# Altium PCB Arribada-PMP-PCB.PcbDoc (part 2 of 4) (continued)
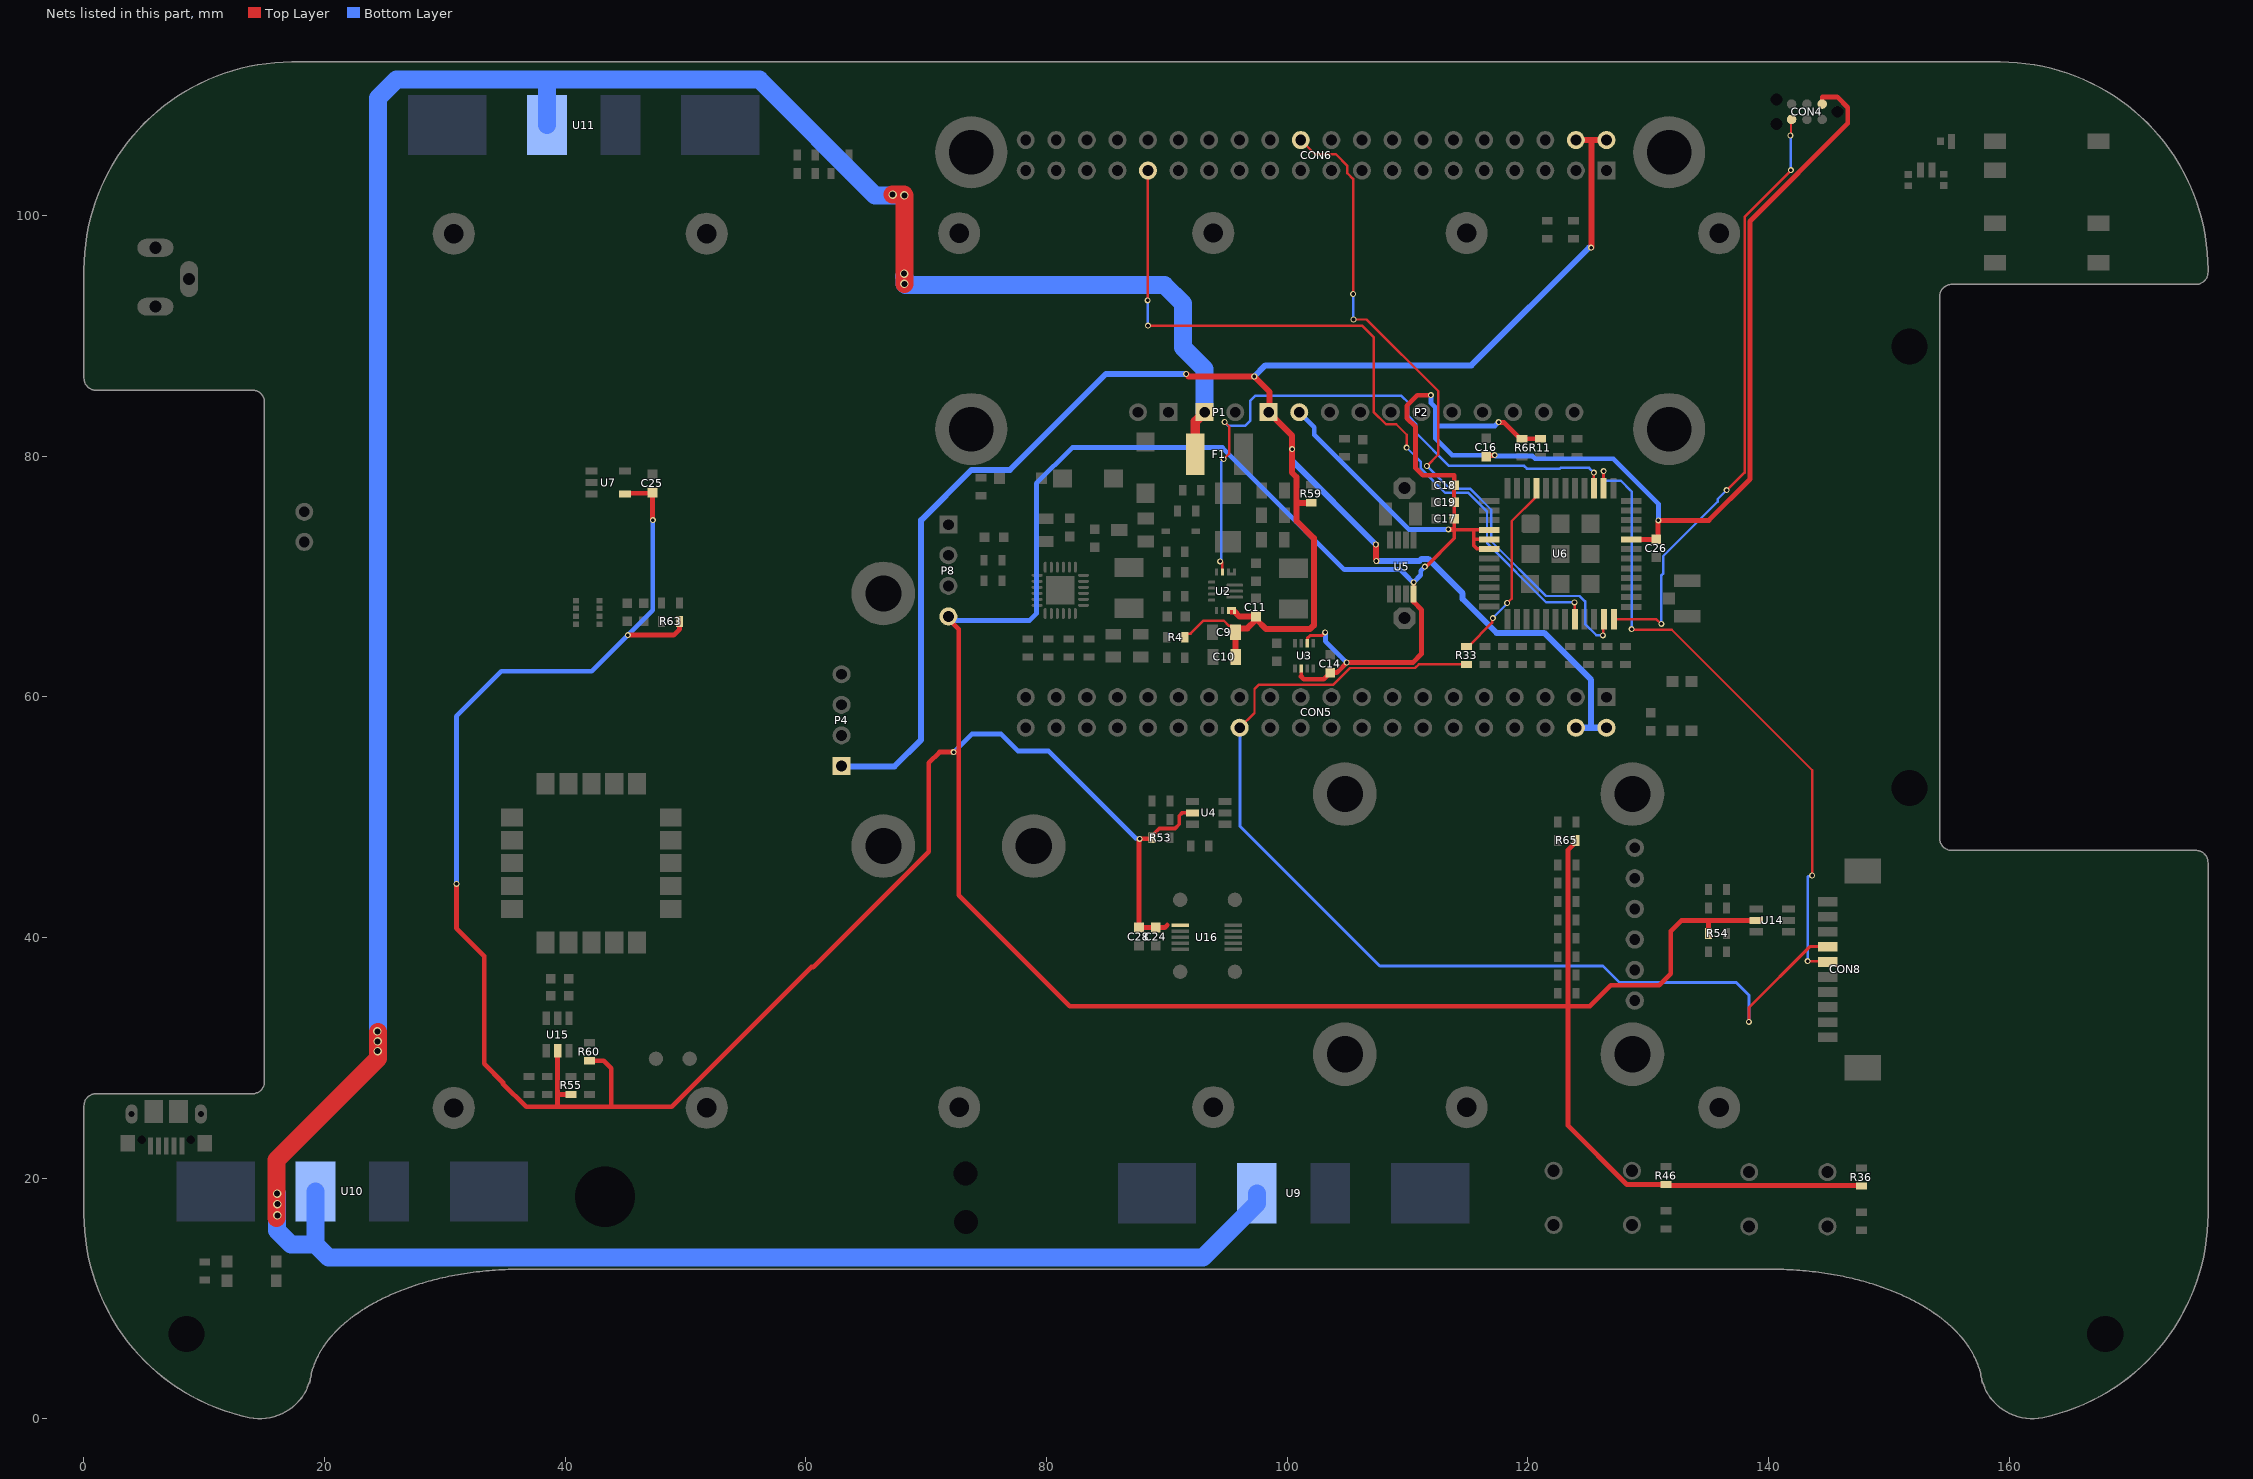
[diagram p2: the nets of this part, all layers, seen from the top]
## Part data (continued)
R36 R46 R59: library part "R - 10k", "MULTICOMP - MCMR06X103 JTL - RES, CERAMIC, 10K, 5%, 0.1W, 0603", IRNAS Part No.=I-100008, Manufacturer=MULTICOMP, Manufacturer Part Number="MCMR06X103 JTL", Power Rating=100, Resistance=10, Resistance Tolerance="± 5%", Resistor Case Style="0603 [1608 Metric]", Resistor Element Material=Ceramic, Supplier Part Number 1=2073356, Temperature Coefficient="± 100", Voltage Rating=75, Automotive Qualification Standard="-<!--FANDB--><div class=\"features-and-benefits-container\"><div class=\"features-and-benefits-description\"><span class=\"features-benefits-value\">The Multicomp MCMR series resistors are automotive grade, anti sulphured thick film chip resistor. The resistance range includes E24 and E96 decade values from 1ohm to 10Mohm. These resistors are constructed on top of a high grade ceramic body.</span></div><div class=\"features-and-benefits-list\"><ul class=\"features-and-benefits-list-list\"><li class=\"features-and-benefits-list-item\">EIA 0402, 0603, 0805, 1206 chip sizes available</li><li class=\"features-and-benefits-list-item\">High reliability and stability</li><li class=\"features-and-benefits-list-item\">Automotive grade AEC-Q200 compliant</li><li class=\"features-and-benefits-list-item\">Complaint with (IEC 60068-1) 55/155/56 climatic category</li><li class=\"features-and-benefits-list-item\">Maximum operation voltage of 50V, 75V, 150V and 200V</li><li class=\"features-and-benefits-list-item\">Power rating of 62.5mW, 100mW, 125mW and 250mW</li><li class=\"features-and-benefits-list-item\">Available in ±1% and ±5% tolerance</li><li class=\"features-and-benefits-list-item\">Temperature coefficient (TCR) of +200ppm/°C, +100ppm/°C and -200ppm/°C to +400ppm/°C</li><li class=\"features-and-benefits-list-item\">Operating temperature range -55°C to 155", ComponentLink1Description=http://www.farnell.com/datasheets/1716707.pdf, ComponentLink1URL=http://www.farnell.com/datasheets/1716707.pdf, Packaging="Cut Tape", Pricing 1="10=0.0087, 100=0.0074, 500=0.0061, 1000=0.0048, 2500=0.0032, 5000=0.0024, 25000=0.0016, 50000=0.0013 (GBP)", Product Range="MCMR Series", RoHS=Y-EX, Stock 1=19791, Supplier 1=Farnell
R40: library part "R - 2k2", "MULTICOMP - MCMR06X2201FTL - RES, CERAMIC, 2K2, 1%, 0.1W, 0603", IRNAS Part No.=I-100024, Manufacturer=MULTICOMP, Manufacturer Part Number=MCMR06X2201FTL, Supplier Part Number 1=2073429, ComponentLink1Description=http://www.farnell.com/datasheets/1716707.pdf, ComponentLink1URL=http://www.farnell.com/datasheets/1716707.pdf, Pricing 1="10=0.0099, 100=0.0059, 500=0.0042, 1000=0.0033, 2500=0.0027 (GBP)", RoHS=Y-EX, Stock 1=17638, Supplier 1=Farnell
R49 R51 R52 R53 R54 R55: library part "R - 100k", "MULTICOMP - MCMR06X104 JTL - RES, CERAMIC, 100K, 5%, 0.1W, 0603", IRNAS Part No.=I-100007, Manufacturer=MULTICOMP, Manufacturer Part Number="MCMR06X104 JTL", Power Rating=100, Resistance Tolerance="± 5%", Resistor Case Style="0603 [1608 Metric]", Resistor Element Material=Ceramic, Resistor Mounting="Surface Mount Device<!--FANDB--><div class=\"features-and-benefits-container\"><div class=\"features-and-benefits-description\"><span class=\"features-benefits-value\">The Multicomp MCMR series resistors are automotive grade, anti sulphured thick film chip resistor. The resistance range includes E24 and E96 decade values from 1ohm to 10Mohm. These resistors are constructed on top of a high grade ceramic body.</span></div><div class=\"features-and-benefits-list\"><ul class=\"features-and-benefits-list-list\"><li class=\"features-and-benefits-list-item\">EIA 0402, 0603, 0805, 1206 chip sizes available</li><li class=\"features-and-benefits-list-item\">High reliability and stability</li><li class=\"features-and-benefits-list-item\">Automotive grade AEC-Q200 compliant</li><li class=\"features-and-benefits-list-item\">Complaint with (IEC 60068-1) 55/155/56 climatic category</li><li class=\"features-and-benefits-list-item\">Maximum operation voltage of 50V, 75V, 150V and 200V</li><li class=\"features-and-benefits-list-item\">Power rating of 62.5mW, 100mW, 125mW and 250mW</li><li class=\"features-and-benefits-list-item\">Available in ±1% and ±5% tolerance</li><li class=\"features-and-benefits-list-item\">Temperature coefficient (TCR) of +200ppm/°C, +100ppm/°C and -200ppm/°C to +400ppm/°C</li><li class=\"features-and-benefits-list-item\">Operating temperature range -55°C to 155", Supplier Part Number 1=2073357, Temperature Coefficient="± 100", Voltage Rating=75, Automotive Qualification Standard=-, ComponentLink1Description=http://www.farnell.com/datasheets/1716707.pdf, ComponentLink1URL=http://www.farnell.com/datasheets/1716707.pdf, Packaging="Cut Tape", Pricing 1="10=0.0109, 100=0.0085, 500=0.006, 1000=0.0048, 2500=0.004, 5000=0.003, 25000=0.002, 50000=0.0016 (GBP)", Product Range="MCMR Series", Resistance=100, RoHS=Y-EX, Stock 1=187, Supplier 1=Farnell
S1: "SWITCH TACTILE SPST-NO 0.05A 32V", Case/Package=SMD/SMT, Current Rating=50mA, Manufacturer="ITT C&K", Manufacturer Part Number=KMR221NGLFS, Max Operating Temperature=85°C, Max Voltage Rating (DC)=32V, Min Operating Temperature=-40°C, Operating Force=2N, Package Quantity=1, Power Rating=1W, Supplier Part Number 1=2845727, Actuator Length=0.5mm, Actuator Type=Standard, ComponentLink1Description=https://www.ckswitches.com/media/1479/kmr2.pdf?src-supplier=Digi-Key, ComponentLink1URL=https://www.ckswitches.com/media/1479/kmr2.pdf?src-supplier=Digi-Key, ComponentLink2Description=http://www.ck-components.com/14414/kmr2_9aug12.pdf/?src-supplier=Avnet+Europe, ComponentLink2URL=http://www.ck-components.com/14414/kmr2_9aug12.pdf/?src-supplier=Avnet+Europe, ComponentLink3Description=http://www1.futureelectronics.com/doc/C%20-%20K%20COMPONENTS/KMR221NGLFS.pdf?src-supplier=Future+Electronics, ComponentLink3URL=http://www1.futureelectronics.com/doc/C%20-%20K%20COMPONENTS/KMR221NGLFS.pdf?src-supplier=Future+Electronics, Contact Material=Silver, Contact Plating=Silver, Depth=4.6mm, Illumination Type=Non-Illuminated, Lead Free="Lead Free", Length=2.8mm, Max Current Rating=50mA, Mechanical Life=200000Cycles, Mount="Surface Mount", Orientation=Straight, Packaging="Tape and Reel", Pricing 1="10 = 0.29100, 500 = 0.27600, 1000 = 0.21800, 5000 = 0.18500, 10000 = 0.18100 (GBP)", Radiation Hardening=No, RoHS=Yes, Stock 1=3038, Supplier 1=Farnell, Switch Function=Off-Mom, Switch Travel=0.25mm, Termination="Gull Wing", Throw Configuration=SPST, Voltage Rating (DC)=32V
SW1: library part "Tactile button", "SWITCH TACTILE SPST-NO 0.05A 32V", Actuator Color=N/A, Contact Rating @ Voltage="1 A", Dielectric Strength=">=250 Vrms", Manufacturer="ITT C&K", Manufacturer Part Number=KMR221NGLFS, Maximum DC Voltage Rating="32 V", Minimum Insulation Resistance=">=1000 MOhm", Operating Force="2 N", Operating Temperature="-40 to 85 C", Supplier Part Number 1=2845727, Actuator Length="0.5 mm", Actuator Style="Round Button", Base Material=N/A, Body Orientation=Straight, ComponentLink1Description=https://www.ckswitches.com/media/1479/kmr2.pdf, ComponentLink1URL=https://www.ckswitches.com/media/1479/kmr2.pdf, ComponentLink2Description=http://www.ck-components.com/14414/kmr2_9aug12.pdf/, ComponentLink2URL=http://www.ck-components.com/14414/kmr2_9aug12.pdf/, ComponentLink3Description=http://www.ck-components.com/index.php?module=media&action=Display&cmpref=14414&lang=en&width=&height=&format=&alt=, ComponentLink3URL=http://www.ck-components.com/index.php?module=media&action=Display&cmpref=14414&lang=en&width=&height=&format=&alt=, ComponentLink4Description=http://www1.futureelectronics.com/doc/C%20-%20K%20COMPONENTS/KMR221NGLFS.pdf, ComponentLink4URL=http://www1.futureelectronics.com/doc/C%20-%20K%20COMPONENTS/KMR221NGLFS.pdf, Contact Material=Silver, Contact Plating=Silver, Dimension="2.8 x 4.6 x 1.9 mm", ECCN=EAR99, Electrical Life=N/A, Family="KMR 2", Ground Terminal=No, Housing Material=N/A, HTS=8536501199, Illumination Type=N/R, Maximum AC Voltage Rating=N/A, Mechanical Life="200000 Cycles", Mounting="Surface Mount,Gull Wing", Packaging="Tape and Reel", Part No=KMR221NGLFS, Pole Throw Configuration=SPST, Pricing 1="10=0.278, 500=0.264, 1000=0.208, 5000=0.204, 10000=0.2 (GBP)", Product Weight=N/A, RoHS=Yes, Seal Description=N/A, Seal Location=N/A, Stock 1=4985, Supplier 1="C&K Components", Supplier Standard Pack=7,000, Switch Configuration=N.O., Type=Micro-Miniature
SW2 SW3: "Tactile Switch, B3F Series, Top Actuated, Through Hole, Round Button, 100 gf, 50mA at 24VDC", Supplier Part Number 1=959698, ComponentLink1Description=Datasheet, ComponentLink1URL=https://4donline.ihs.com/images/VipMasterIC/IC/OMRN/OMRN-S-A0001309768/OMRN-S-A0001309768-1.pdf?hkey=52A5661711E402568146F3353EA87419, Supplier 1=Farnell
T1: "ON SEMICONDUCTOR/FAIRCHILD - MMBT3904 - TRANSISTOR, NPN, SOT-23", Collector Emitter Saturation Voltage Vce(on)=200, Collector Emitter Voltage V(br)ceo=40, Current Ic hFE=10, DC Current Gain hFE=300, Manufacturer="ON SEMICONDUCTOR/FAIRCHILD", Operating Temperature Max=150, Operating Temperature Min=-55, Operating Temperature Range="-55°C to +150", Power Dissipation Pd=350, Supplier Part Number 1=9846727, Transistor Case Style=SOT-23, Voltage Vcbo="60V<!--FANDB--><div class=\"features-and-benefits-container\"><div class=\"features-and-benefits-description\"><span class=\"features-benefits-value\">The MMBT3904 from Fairchild is a surface mount, NPN general purpose amplifier in SOT-23 package. This device is suitable for general purpose amplification and switching applications.</span></div><div class=\"features-and-benefits-list\"><ul class=\"features-and-benefits-list-list\"><li class=\"features-and-benefits-list-item\">Collector to emitter voltage (Vce) of 40V</li><li class=\"features-and-benefits-list-item\">Collector to emitter saturation voltage of 300mV at 50mA collector current</li><li class=\"features-and-benefits-list-item\">Power dissipation of 350mW</li><li class=\"features-and-benefits-list-item\">DC collector current of 200mA</li><li class=\"features-and-benefits-list-item\">DC current gain of 30 at Ic=100mA</li><li class=\"features-and-benefits-list-item\">Operating junction temperature range from -55°C to 150", Automotive Qualification Standard=-, ComponentLink1Description=http://www.farnell.com/datasheets/2304127.pdf, ComponentLink1URL=http://www.farnell.com/datasheets/2304127.pdf, ComponentLink2Description=http://www.farnell.com/datasheets/1942444.pdf, ComponentLink2URL=http://www.farnell.com/datasheets/1942444.pdf, Continuous Collector Current Ic Max=200, Current Ic Continuous a Max=200, DC Collector Current=200, Device Marking=BT3904, Gain Bandwidth ft Min=300, Gain Bandwidth ft Typ=300, hFE Min=100, Manufacturer Part Number=MMBT3904, MSL="MSL 1 - Unlimited", No. of Pins=3, No. of Transistors=1, Noise Factor Max=5, Packaging="Cut Tape", Power Dissipation Ptot Max=350, Pricing 1="5=0.121, 50=0.043, 250=0.0401, 500=0.0261, 1500=0.0256 (GBP)", Product Range=-, RoHS=YES, SMD Marking=1, Stock 1=54090, Supplier 1=Farnell, SVHC="No SVHC (15-Jun-2015)", Transistor Polarity=NPN, Transition Frequency ft=300
TP1 TP2 TP3 TP4 TP5 TP6: "TEST POINT ROUND SMD", ComponentLink1Description=Datasheet, FIT=0.94, Komp / Device=SMD
U1: "IC LI+ CHARGER PWR MGMT 24VQFN", Battery Pack Voltage=4.2V, Charge Current - Max=3A, Current - Charging="Constant - Programmable", Manufacturer="Texas Instruments", Operating Temperature="-40°C ~ 85°C (TA)", Package / Case="24-VFQFN Exposed Pad", Supplier Device Package="24-VQFN (4x4)", Supplier Part Number 1=2373541, Voltage - Supply (Max)=6.2V, Battery Chemistry=Lithium-Ion/Polymer, Category="Integrated Circuits (ICs)", ComponentLink1Description=http://www.ti.com/lit/ds/symlink/bq24296.pdf, ComponentLink1URL=http://www.ti.com/lit/ds/symlink/bq24296.pdf, Fault Protection="Over Current, Over Temperature, Over Voltage", Interface=I²C, Manufacturer Part Number=BQ24296RGET, Number of Cells=1, Packaging="Cut Tape (CT)", Part Status=Active, Programmable Features=-, RoHS="RoHS Compliant", Supplier 1=Farnell
U2: "TEXAS INSTRUMENTS - TPS630701RNMT - DC/DC CONV, BUCK-BOOST, 2.4MHZ, VQFN-15", DC / DC Converter IC Case=VQFN, Input Voltage Max=16, Input Voltage Min=2, Manufacturer="TEXAS INSTRUMENTS", Operating Temperature Max=125, Output Voltage Nom.=5, Supplier Part Number 1=2643432, Switching Frequency=2.4, Automotive Qualification Standard=-, ComponentLink1Description=http://www.ti.com/general/docs/lit/getliterature.tsp?genericPartNumber=TPS63070&fileType=pdf, ComponentLink1URL=http://www.ti.com/general/docs/lit/getliterature.tsp?genericPartNumber=TPS63070&fileType=pdf, Manufacturer Part Number=TPS630701RNMT, MSL="MSL 1 - Unlimited", No. of Pins=15, Output Current=2, Packaging="Cut Tape", Pricing 1="1=2.23, 10=1.87, 100=1.7, 250=1.56, 500=1.47, 1000=1.21 (GBP)", Product Range=-, RoHS=YES, Stock 1=456, Supplier 1=Farnell, SVHC="No SVHC (17-Dec-2015", Topology=Buck-Boost
U3: library part "V_LIN - MCP1810T-30I/J8A", "IC REG LINEAR 3V 150MA 8VDFN", Manufacturer=Microchip, Supplier Part Number 1=2678433, ComponentLink1Description=http://www.farnell.com/datasheets/2182064.pdf?src-supplier=Farnell, ComponentLink1URL=http://www.farnell.com/datasheets/2182064.pdf?src-supplier=Farnell, ComponentLink2Description=http://www.microchip.com/mymicrochip/filehandler.aspx?ddocname=en587589&src-supplier=Digi-Key, ComponentLink2URL=http://www.microchip.com/mymicrochip/filehandler.aspx?ddocname=en587589&src-supplier=Digi-Key, Manufacturer Part Number=MCP1810T-30I/J8A, Pricing 1="1 = 0.41700, 25 = 0.35100, 100 = 0.31200 (EUR)", RoHS=No, Stock 1=121, Supplier 1=Farnell
U4 U14 U15: library part "T_M - DMG6602SVT", "Dual MOSFET, N and P Channel, 3.4 A, 30 V, 0.038 ohm, 10 V, 1 V", Supplier Part Number 1=2061522, ComponentLink1Description=Datasheet, ComponentLink1URL=http://www.farnell.com/datasheets/1915929.pdf?_ga=2.95290844.1984085946.1565589483-1741076818.1563951383, Supplier 1=Farnell
U5: "IC RTC/CALENDAR I2C LP 8MSOP", Case/Package=MSOP, Manufacturer=Intersil, Max Operating Temperature=85°C, Max Supply Voltage=5.5V, Min Operating Temperature=-40°C, Min Supply Voltage=2.7V, Package Quantity=250, Supplier Part Number 1=2543322, ComponentLink1Description=https://datasheet.ciiva.com/16293/fn8085-16293145.pdf, ComponentLink1URL=https://datasheet.ciiva.com/16293/fn8085-16293145.pdf, ComponentLink2Description=https://datasheet.ciiva.com/8145/fn8085-8145071.pdf, ComponentLink2URL=https://datasheet.ciiva.com/8145/fn8085-8145071.pdf, ComponentLink3Description=https://datasheet.ciiva.com/6668/fn8085-6668119.pdf, ComponentLink3URL=https://datasheet.ciiva.com/6668/fn8085-6668119.pdf, ComponentLink4Description=https://datasheet.ciiva.com/6668/fn8085-6668117.pdf, ComponentLink4URL=https://datasheet.ciiva.com/6668/fn8085-6668117.pdf, ComponentLink5Description=https://datasheet.ciiva.com/6668/fn8085-6668118.pdf, ComponentLink5URL=https://datasheet.ciiva.com/6668/fn8085-6668118.pdf, Date Format=YY-MM-DD-dd, Interface=I2C,Serial,2-Wire, Lead Free="Lead Free", Logic Function=Clock, Manufacturer Part Number=ISL1208IU8Z-T7A, Memory Size=2B, Mount="Surface Mount", Non-volatile Memory Size=2B, Number of Pins=8, Packaging="Tape and Reel", Pricing 1="1=2.63, 10=2.24, 25=2.12, 50=2.01, 100=1.89, 250=1.84, 500=1.65, 1000=1.37 (EUR)", Radiation Hardening=No, REACH SVHC=Unknown, Stock 1=321, Supplier 1=Farnell, Time Format=HH:MM:SS
U6: library part "Lora Module Murata", "Lora Module Murata", Manufacturer=Murata, Manufacturer Part Number=CMWX1ZZABZ-091, Supplier Part Number 1=2802546, Pricing 1="1=11.7, 5=11.06, 10=9.94, 50=9.54, 100=9.14, 250=8.05 (GBP)", Stock 1=175, Supplier 1=Farnell
U7: "MICROCHIP   24AA02E48T-I/OT   EEPROM, EUI-48 Node Identity, 2 Kbit, 2 BLK (128K x 8bit), 400 kHz, I2C, SOT-23, 5 Pins", Case/Package=SOT-23, Frequency=400kHz, Manufacturer=Microchip, Max Frequency=100kHz, Max Operating Temperature=85°C, Max Supply Voltage=5.5V, Min Operating Temperature=-40°C, Min Supply Voltage=1.7V, Nominal Supply Current=3mA, Operating Supply Voltage=5V, Package Quantity=3000, Supplier Part Number 1=1688855, Access Time=3500ns, ComponentLink1Description=http://www.farnell.com/datasheets/1725195.pdf?src-supplier=Element14, ComponentLink1URL=http://www.farnell.com/datasheets/1725195.pdf?src-supplier=Element14, ComponentLink2Description=http://www.farnell.com/datasheets/631538.pdf?src-supplier=Element14, ComponentLink2URL=http://www.farnell.com/datasheets/631538.pdf?src-supplier=Element14, ComponentLink3Description=http://ww1.microchip.com/downloads/en/DeviceDoc/22124D.pdf?src-supplier=Avnet+Europe, ComponentLink3URL=http://ww1.microchip.com/downloads/en/DeviceDoc/22124D.pdf?src-supplier=Avnet+Europe, ComponentLink4Description=http://www.microchip.com/mymicrochip/filehandler.aspx?ddocname=en538826&src-supplier=Future+Electronics, ComponentLink4URL=http://www.microchip.com/mymicrochip/filehandler.aspx?ddocname=en538826&src-supplier=Future+Electronics, ComponentLink5Description=http://www.produktinfo.conrad.com/datenblaetter/650000-674999/651228-da-01-en-EEPROM_24AA02E48T_I_OT_SOT_23_5_MCP.pdf?src-supplier=Conrad, ComponentLink5URL=http://www.produktinfo.conrad.com/datenblaetter/650000-674999/651228-da-01-en-EEPROM_24AA02E48T_I_OT_SOT_23_5_MCP.pdf?src-supplier=Conrad, Density=2Kb, Height=1.3mm, Interface=I2C,Serial, Lead Free="Lead Free", Length=3.1mm, Manufacturer Part Number=24AA02E48T-I/OT, Memory Size=2Kb, Memory Type=EEPROM, Mount="Surface Mount", Number of Pins=5, Packaging="Tape and Reel", Pricing 1="1 = 0.17600, 10 = 0.17100, 25 = 0.16400, 50 = 0.16000, 100 = 0.15600 (GBP)", Radiation Hardening=No, REACH SVHC="No SVHC", RoHS=Yes, Stock 1=13638, Supplier 1=Farnell, Termination=SMD/SMT, Width=1.8mm
U8: Supplier Part Number 1="OLED SSD 1306 display"
U9 U10 U11: Supplier Part Number 1="Battery protection"
U12: library part "RF - UBLOX-SAM-M8Q", "SAM-M8 RF Receiver BeiDou, Galileo, GLONASS, GNSS, GPS -160dBm", Manufacturer=u-blox, Manufacturer Part Number=MAX-M8Q-0, Supplier Part Number 1=672-1054-1-ND, Stock 1=10805, Supplier 1=Digi-Key
U13: library part "SEN - BME280", "Humidity Temperature Sensor 0 ~ 100% RH I²C, SPI ±3% 1s Surface Mount", Supplier Part Number 1=828-1063-6-ND, ComponentLink1Description=Datasheet, ComponentLink1URL=https://ae-bst.resource.bosch.com/media/_tech/media/datasheets/BST-BME280-DS002.pdf, Supplier 1=Digi-Key
U16: library part "INT - TS3A24159DGSR", "Analogue Switch, 2 Channels, SPDT, 0.34 ohm, 1.65V to 3.6V, VSSOP, 10 Pins", Supplier Part Number 1=3118263, ComponentLink1Description=Datasheet, ComponentLink1URL=https://www.ti.com/lit/ds/symlink/ts3a24159.pdf?HQS=TI-null-null-mousermode-df-pf-null-wwe&ts=1604495897645&ref_url=https%253A%252F%252Fwww.mouser.de%252F, Supplier 1=Farnell
X1: library part LFXTAL009678, "CRYSTAL, 32.768KHZ, 12.5PF, SMD", Case/Package=217, Frequency=32.8kHz, Load Capacitance=12.5pF, Manufacturer=IQD, Max Operating Temperature=85°C, Min Operating Temperature=-40°C, Supplier Part Number 1=2449398, ComponentLink1Description=https://datasheet.ciiva.com/46419/1852967-46419749.pdf, ComponentLink1URL=https://datasheet.ciiva.com/46419/1852967-46419749.pdf, Manufacturer Part Number=LFXTAL009678, Number of Pins=2, Pricing 1="5=0.283, 50=0.203, 250=0.169, 500=0.163, 1500=0.157, 3000=0.152, 15000=0.146 (EUR)", REACH SVHC="No SVHC", Stock 1=15609, Supplier 1=Farnell

## Free pads (board coordinates)
  round 6 hole 3.7: 0(73.736,105.251) 0(73.737,82.251) 0(131.736,105.251) 0(131.737,82.251)
  oval 0.8x1.6 hole 3: ""(8.528,7.034) ""(151.715,52.421) ""(151.715,89.121) ""(167.98,7.06)
  oval 0.8x1.6 hole 5: ""(43.296,18.451)
  round 5.3 hole 3: ""(66.431,47.595) ""(66.431,68.595) ""(78.931,47.595) ""(104.782,30.294) ""(104.782,51.914) ""(128.682,30.294) ""(128.682,51.914)
  oval 0.8x1.6 hole 2: ""(73.266,20.381) ""(73.286,16.371)

## Via types
v1: diameter 0.5, hole 0.3, Top Layer to Bottom Layer, tented both sides, 1312 vias
v2: diameter 0.7, hole 0.5, Top Layer to Bottom Layer, tented both sides, 10 vias

## Nets (pads, with @x,y where several pads share a name; then routed paths per layer and width w, separated by ;. In a path a pad name is that pad's centre, name@x,y a point inside that pad or via, vN(x,y) a via of type N, cw(c..) or ccw(c..) an arc to the next point about the centre after c; other vN are vias at no path point)
+3V: C14.1 C16.2 C17.2 C18.2 C19.2 C24.2 C25.2 C26.2 C28.2 CON4.1 P2.2 P8.4 R6.2 R11.2 R36.2 R46.2 R53.2 R54.2 R55.2 R60.1 R63.1 R65.2 U3.2 U3.6 U4.2 U5.8 U6.4 U6.5 U6.6 U6.32 U7.4 U14.2 U15.2 U16.1 | length 532.8
  Top Layer w0.25: U3.6@101.647,64.451 101.672,64.476 101.672,64.868 101.882,65.079 102.875,65.079 v1(103.147,65.351)
  Top Layer w0.3: v1@72.25,55.401 v1(72.275,55.401) ; R53.2@88.62,48.2 88.645,48.175 R53.2@88.75,48.28 88.75,48.43 89.373,49.052 90.675,49.052 91.025,49.402 91.025,50.125 91.25,50.35 92.12,50.35 U4.2@92.125,50.355 ; 101.147,61.689 101.147,62.001 ; U5.8@110.502,68.541 U5.8@110.502,68.541 110.503,69.51 v1(110.505,69.511) ; v1@111.347,70.811 v1(111.437,70.811) 111.527,70.811 113.882,73.166 113.882,73.876 ; C17.2@113.737,74.751 C17.2@113.742,74.756 ; C19.2@113.737,76.151 C19.2@113.742,76.146 ; C19.2@113.857,76.161 C18.2@113.857,77.551 ; C17.2@113.862,74.766 C19.2@113.862,76.156 ; U6.6@116.797,72.276 116.781,72.292 115.772,72.292 115.487,72.578 115.487,73.102 ; U6.5@116.797,73.076 116.771,73.102 115.487,73.102 ; U6.4@116.797,73.876 115.567,73.876 ; 113.882,73.876 C17.2@113.882,74.786 113.882,73.876 ; 113.882,73.876 115.567,73.876 ; 115.487,73.102 115.487,73.796 115.567,73.876
  Top Layer w0.4: v1(30.956,44.461) 30.956,40.761 33.261,38.456 33.261,29.506 34.821,27.946 34.821,27.856 36.751,25.925 39.309,25.925 ; U15.2@39.366,30.581 39.366,26.95 ; R55.2@40.482,26.948 39.368,26.948 39.366,26.95 ; R60.1@42,29.75 43.191,29.75 43.825,29.116 43.825,26.159 ; U7.4@44.945,76.856 45.007,76.919 47.183,76.919 C25.2@47.245,76.981 ; v1(45.195,65.13) 49.004,65.13 49.495,65.621 R63.1@49.495,66.271 ; C25.2@47.258,76.981 47.258,74.699 v1(47.275,74.681) ; P8.4@71.837,66.681 71.837,66.491 72.696,65.632 72.696,55.401 ; v1@72.25,55.401 71.103,55.401 70.203,54.502 70.203,47.121 60.614,37.532 60.457,37.532 48.85,25.925 39.309,25.925 ; v1(72.275,55.401) 72.696,55.401 ; R53.2@88.62,48.2 v1(87.725,48.2) 87.675,48.15 C28.2@87.675,40.825 C24.2@89.075,40.825 89.825,40.825 90.025,41.025 ; 101.147,61.689 101.381,61.455 103.031,61.455 C14.1@103.584,62.008 104.1,62.008 v1(104.941,62.848) 110.44,62.848 111.157,63.565 111.157,67.231 110.502,67.886 U5.8@110.502,68.541 ; P2.2@101.177,83.651 P2.2@101.177,84.041 ; v1@111.894,85.109 v1(111.938,85.065) 110.82,85.065 109.946,84.191 109.946,83.152 110.667,82.431 110.667,79.009 111.271,78.405 113.882,78.405 C18.2@113.882,77.576 ; v1(113.386,73.911) 113.405,73.892 113.866,73.892 113.882,73.876 ; C16.2@116.532,79.876 116.718,80.062 117.213,80.062 v1(117.232,80.081) v1@117.259,80.081 ; v1(117.569,82.825) 117.589,82.805 118,82.805 119.364,81.441 R6.2@119.514,81.441 R11.2@121.034,81.441 ; R65.2@123.985,48.071 123.985,47.921 123.335,47.271 123.335,34.281 ; U6.32@128.597,73.086 128.604,73.079 130.319,73.079 C26.2@130.327,73.071 ; C26.2@130.675,73.101 130.816,73.242 v1@130.816,74.632 ; v1(130.835,74.661) 135.036,74.661 138.456,78.081 138.456,99.529 146.575,107.648 146.575,108.973 145.697,109.851 144.455,109.851 CON4.1@144.455,109.256 ; R54.2@135.006,40.341 135.006,41.416 135,41.421 ; U14.2@138.966,41.421 135,41.421 ; R36.2@147.721,19.343 147.673,19.39 131.553,19.39 R46.2@131.481,19.463 128.232,19.463 123.335,24.36 123.335,34.281 ; 39.309,25.925 39.366,25.982 39.366,26.95 ; 72.696,55.401 72.696,43.526 81.941,34.281 123.335,34.281 ; 123.335,34.281 125.156,34.281 126.9,36.025 130.9,36.025 131.875,37 131.875,40.525 132.771,41.421 135,41.421
  Bottom Layer w0.4: v1(30.956,44.461) 30.956,58.381 34.695,62.12 42.185,62.12 v1(45.195,65.13) 47.275,67.211 v1(47.275,74.681) ; P8.4@71.837,66.681 72.167,66.351 78.597,66.351 79.157,66.911 79.157,77.741 82.127,80.712 94.609,80.712 104.745,70.576 109.379,70.576 109.827,70.129 110.445,69.511 v1(110.505,69.511) 110.505,69.538 111.09,70.123 111.09,70.464 v1(111.437,70.811) ; v1(72.275,55.401) 73.774,56.9 76.212,56.9 77.613,55.499 80.151,55.499 87.45,48.2 v1(87.725,48.2) ; P2.2@100.997,83.651 102.246,82.402 102.246,81.761 110.096,73.911 v1(113.386,73.911) ; v1(103.147,65.351) 103.166,65.332 103.166,64.623 v1(104.941,62.848) ; v1(111.938,85.065) 111.957,85.046 111.957,84.41 112.316,84.051 112.316,82.618 112.312,82.614 112.312,81.471 113.703,80.081 v1(117.232,80.081) 117.31,80.004 120.369,80.004 120.593,79.781 127.107,79.781 130.841,76.046 130.841,74.667 v1(130.835,74.661) ; 112.312,82.512 117.257,82.512 v1(117.569,82.825)
+5V: C9.2 C10.2 C11.2 CON5.2 CON5.4 CON6.2 CON6.4 P2.1 P4.1 R4.2 R59.2 U2.7 U2.8 | length 185.3
  Top Layer w0.203: R4.2@91.487,64.951 91.487,65.05 91.685,65.248 91.964,65.248 93.047,66.331 94.717,66.331 95.148,65.9 95.348,65.9 C9.2@95.567,65.681
  Top Layer w0.5: v1(91.596,86.831) 91.806,86.621 v1(97.256,86.621) 97.256,86.619 98.525,85.35 98.525,83.719 P2.1@98.457,83.651 ; 95.317,67.101 95.594,67.101 96.019,66.676 C11.2@97.402,66.676 97.402,66.465 98.247,65.619 101.883,65.619 102.207,65.942 102.207,73.192 100.767,74.632 100.767,76.125 ; C10.2@95.517,62.911 95.717,63.111 C10.2@95.717,63.311 95.697,63.331 95.697,64.201 95.717,64.221 C9.2@95.717,65.351 ; C9.2@95.567,65.681 96.678,65.681 C11.2@97.316,66.319 ; 95.717,64.181 95.717,64.201 ; P2.1@98.637,83.651 98.637,83.472 100.4,81.708 v1(100.4,80.575) ; v1@100.377,80.575 100.377,78.641 100.748,78.27 100.748,77.207 100.767,77.188 100.767,76.125 ; R59.2@102,76.125 100.767,76.125 ; v1@107.367,71.437 107.408,71.395 v1(107.408,71.29) ; v1@107.367,71.437 v1(107.367,72.661) ; CON6.4@123.984,106.271 125.25,106.271 ; v1(125.25,97.325) 125.275,97.35 125.275,106.175 125.25,106.2 125.25,106.271 ; CON6.2@126.524,106.271 125.25,106.271
  Bottom Layer w0.5: P4.1@62.665,53.742 63.128,54.205 67.355,54.205 69.575,56.425 69.575,74.683 73.74,78.849 76.951,78.849 84.933,86.831 v1(91.596,86.831) ; v1(97.256,86.621) 98.176,87.541 115.291,87.541 125.075,97.325 v1(125.25,97.325) ; v1(100.4,80.575) 100.4,79.628 v1(107.367,72.661) ; v1(107.408,71.29) 110.993,71.29 111.167,71.464 111.707,71.464 114.573,68.597 114.573,68.129 117.391,65.311 121.346,65.311 125.255,61.403 125.255,57.428 ; CON5.4@123.985,57.428 125.255,57.428 ; CON5.2@126.525,57.428 125.255,57.428
+VBAT: F1.2 P1.1 U9.2 U10.2 U11.2 | length 291.3
  Top Layer w0.8: F1.2@92.367,80.151 92.367,82.881 P1.1@93.137,83.651
  Top Layer w1.5: v2@15.995,16.671 15.995,21.501 24.435,29.941 v2@24.435,32.131 ; v2(67.205,101.731) 68.13,101.731 68.185,101.676 v2(68.185,94.321)
  Bottom Layer w1.5: v2@16.055,16.901 16.055,15.641 ; v2(16.055,18.711) 16.055,15.641 ; U10.2@19.25,18.89 19.25,14.485 ; v2@24.425,30.551 24.425,31.361 24.425,32.191 24.425,109.774 25.957,111.307 38.486,111.307 U11.2@38.486,107.517 ; 38.616,111.307 56.122,111.307 65.753,101.676 68.147,101.676 v2@67.205,101.676 ; v2@68.165,94.947 68.185,94.926 v2(68.185,94.321) 68.279,94.227 89.779,94.227 91.336,92.67 91.336,89.036 93.137,87.236 P1.1@93.137,83.651 ; U9.2@97.476,18.736 97.476,17.886 92.986,13.396 20.338,13.396 19.25,14.485 ; 16.055,15.641 17.211,14.485 19.25,14.485
  other v2: 16.065,16.901 16.065,17.841 24.405,30.551 24.405,31.361 24.375,32.191 68.164,95.163 68.175,101.676
ACCEL_INT: CON6.31 U6.20 | length 65.4
  Top Layer w0.2: v1(88.4,92.95) 88.412,92.962 88.412,103.719 CON6.31@88.424,103.731 ; v1(88.425,90.85) 106.225,90.85 107.175,89.9 107.175,83.675 108.202,82.649 109.051,82.649 109.925,81.775 v1(109.925,80.7) ; v1(123.875,67.85) 123.887,67.838 123.887,66.444 U6.20@123.899,66.432
  Bottom Layer w0.2: v1(88.4,92.95) 88.413,92.938 88.413,90.863 v1(88.425,90.85) ; v1(109.925,80.7) 111.101,79.524 111.101,78.97 113.123,76.948 115.054,76.948 116.598,75.404 116.598,72.778 121.525,67.85 v1(123.875,67.85)
BUSY: CON8.6 U6.38 | length 54
  Top Layer w0.2: v1(128.625,65.625) 128.682,65.568 131.957,65.568 143.625,53.9 v1(143.625,45.15) ; v1(143.25,38.025) 144.867,38.025 CON8.6@144.926,37.966
  Top Layer w0.254: U6.38@126.297,77.336 126.298,77.338 126.298,78.748 v1(126.3,78.75)
  Bottom Layer w0.2: v1(126.3,78.75) 126.3,78.117 126.467,77.95 127.723,77.95 128.525,77.148 128.625,77.048 v1(128.625,65.625) ; v1(143.25,38.025) 143.25,45.033 143.31,45.093 143.568,45.093 v1(143.625,45.15)
DEBUG_TX: CON4.6 U6.24 | length 50.5
  Top Layer w0.2: U6.24@127.147,66.431 130.672,66.431 131.033,66.07 v1(131.089,66.07) ; v1(136.521,77.179) 136.556,77.179 138.003,78.627 138.003,99.878 141.85,103.725 v1(141.85,103.775) ; v1(141.806,106.644) 141.861,106.698 141.861,107.932 CON4.6@141.915,107.986
  Bottom Layer w0.2: v1(131.089,66.07) 131.089,70.092 131.239,70.242 131.239,71.685 135.779,76.225 135.779,76.438 v1(136.521,77.179) ; v1(141.806,106.644) 141.828,106.622 141.828,103.797 v1(141.85,103.775)
DIO1: R33.1 U6.45 | length 15.6
  Top Layer w0.203: R33.1@114.899,64.191 115.049,64.191 117.027,66.169 117.027,66.484 v1(117.084,66.541) ; v1(118.277,67.791) 118.651,68.165 118.651,73.42 118.651,74.605 120.699,76.652 120.699,77.328 U6.45@120.707,77.336
  Bottom Layer w0.203: v1(117.084,66.541) 117.084,66.57 118.277,67.763 v1(118.277,67.791)
DIO1*: CON5.26 CON8.7 R33.2 | length 90.5
  Top Layer w0.203: CON5.26@96.045,57.428 97.279,58.662 97.279,60.653 97.621,60.995 103.8,60.995 105.2,62.394 110.628,62.394 110.924,62.691 R33.2@114.899,62.691
  Top Layer w0.254: v1@138.366,33.061 138.366,34.172 143.425,39.231 144.911,39.231 CON8.7@144.926,39.216
  Bottom Layer w0.254: CON5.26@96.045,57.428 96.054,57.419 96.054,49.258 107.69,37.622 126.235,37.622 127.604,36.252 137.32,36.252 138.366,35.206 v1(138.366,32.991)
DRIVER_EN: CON6.22 U6.23 | length 58.3
  Top Layer w0.2: CON6.22@101.124,106.271 102.31,105.084 104.041,105.084 105,104.125 105,103.513 105.475,103.038 v1(105.475,93.475) ; v1(105.5,91.352) 106.598,91.352 112.55,85.4 112.55,80.125 v1(111.603,79.178) ; v1(126.225,65.1) 126.265,65.14 126.265,66.391 U6.23@126.306,66.431
  Bottom Layer w0.2: v1(105.475,93.475) 105.488,93.463 105.488,91.365 v1(105.5,91.352) ; v1(111.603,79.178) 113.482,77.3 115.2,77.3 116.95,75.55 116.95,72.924 121.499,68.375 124.3,68.375 124.75,67.925 124.75,66.05 125.675,65.125 126.2,65.125 v1(126.225,65.1)
ENABLE_5V: U2.14 U6.39 | length 51
  Top Layer w0.203: v1(94.427,71.251) 94.541,71.251 94.614,71.179 U2.14@94.614,70.381 ; v1(94.717,79.749) 95.181,80.213 95.181,82.441 94.797,82.825 v1(94.797,82.841) ; v1(125.487,78.626) 125.487,77.378 125.497,77.367 125.487,77.357 U6.39@125.507,77.336
  Bottom Layer w0.203: v1(94.427,71.251) 94.427,71.331 94.518,71.423 94.518,79.55 v1(94.717,79.749) ; v1(94.797,82.841) 95.127,82.511 96.477,82.511 96.935,82.969 96.935,84.626 97.319,85.011 99.459,85.011 99.463,85.007 100.43,85.007 100.434,85.011 109.489,85.011 110.067,84.433 110.067,83.321 110.741,82.647 110.741,81.898 113.445,79.194 119.68,79.194 119.91,78.964 122.646,78.964 122.708,79.025 125.087,79.025 v1(125.487,78.626)